# KiCad board data-center-rdimm-ddr5-tester.kicad_pcb (continued)
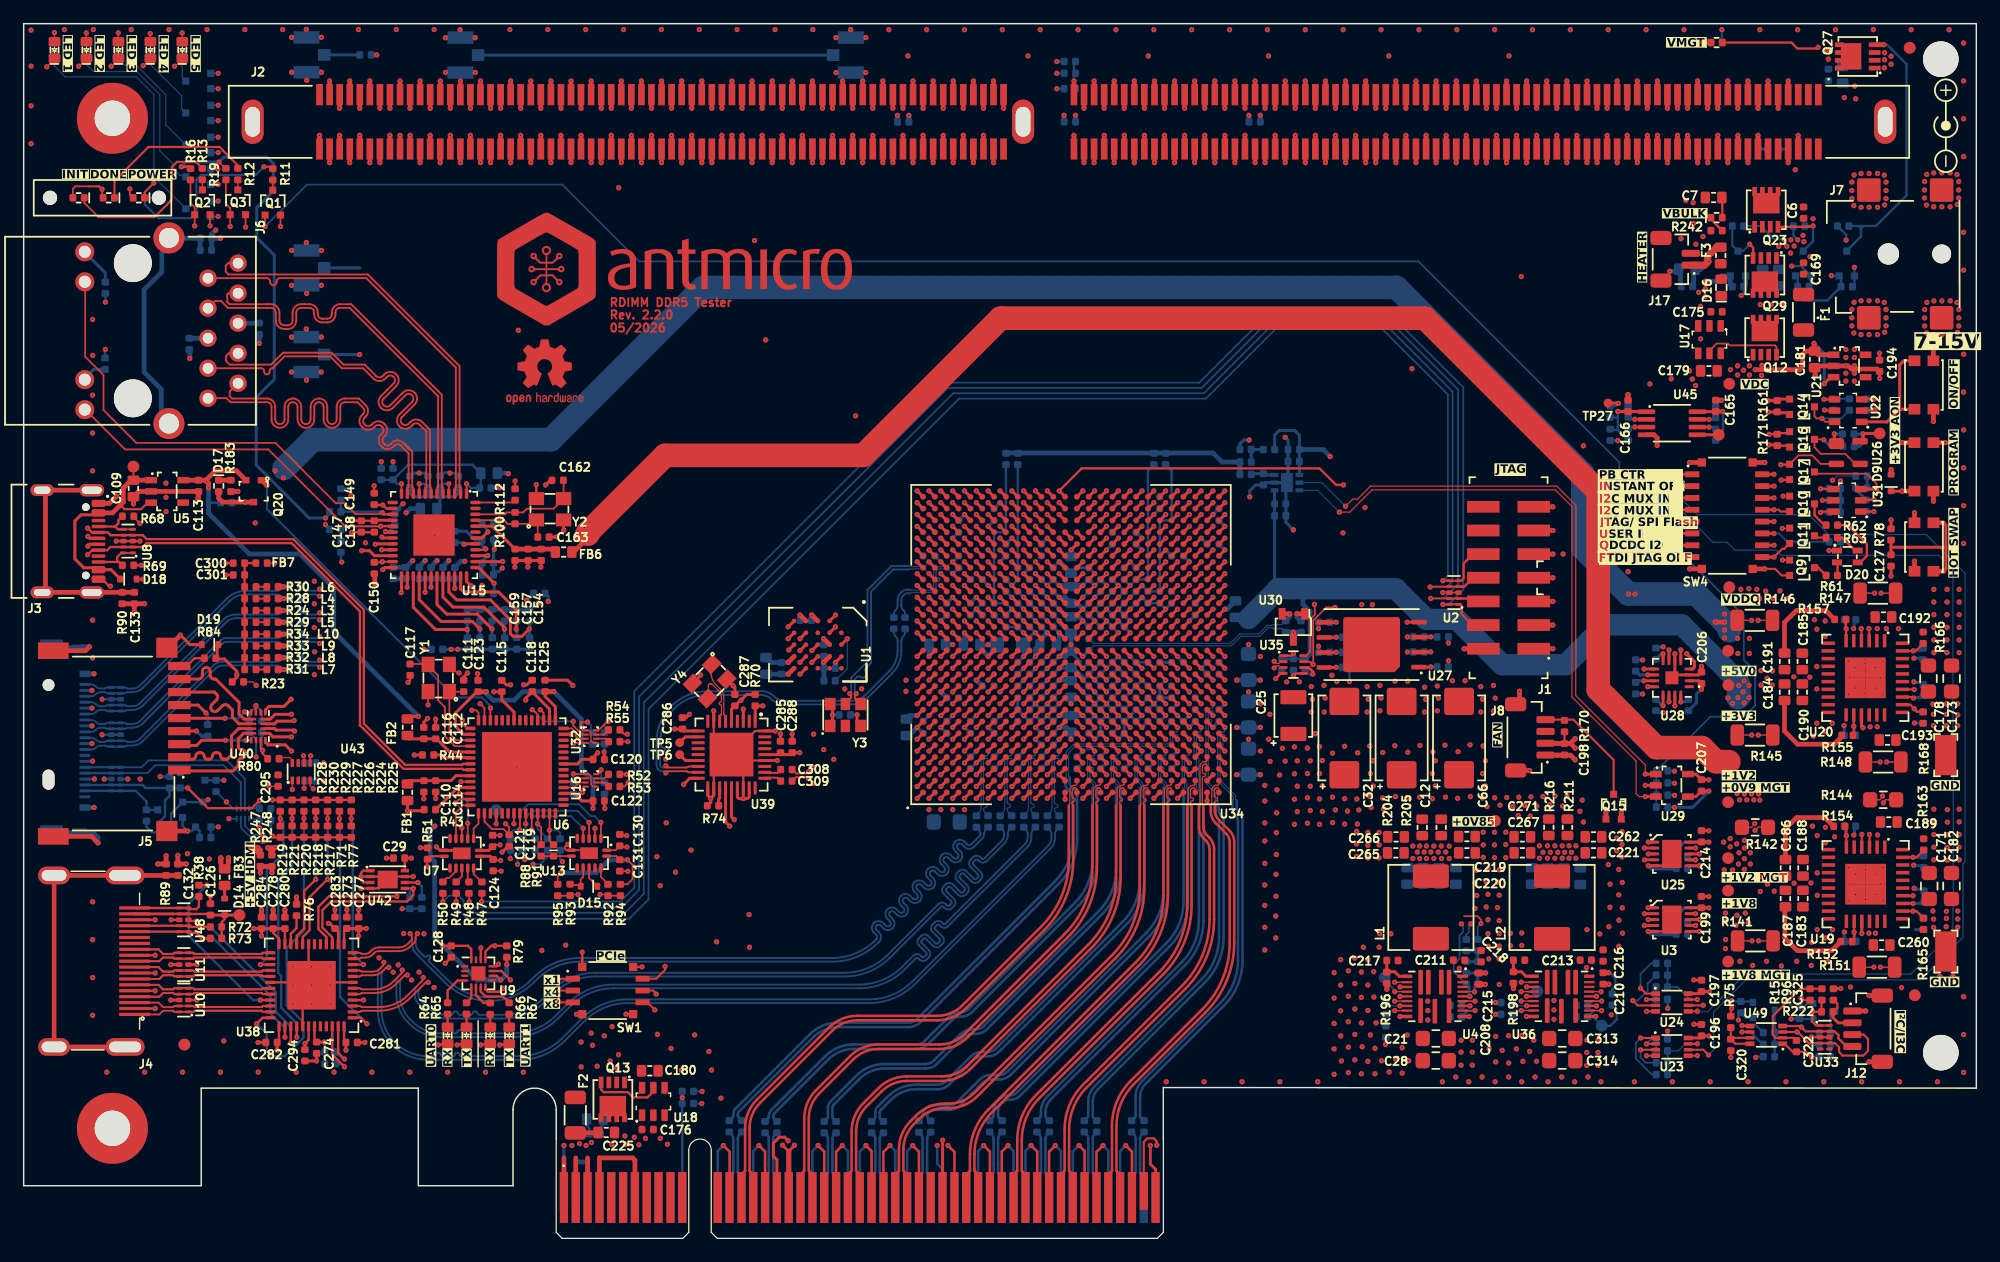
[diagram p0: board, top side]
## Routing (per net, layer and track width the routed paths; a pad name or vN(x,y) marks a point on that pad's centre or on a via; arc(x,y) is an arc through that point) (continued)
/DDR5 RDIMM/CTRL.~{RESET}: length 60.7
  Top w0.256: U34.T19 v1(91.5,56.2)
  Top w0.38: J2.207 v1(98.95,90.95)
  In9.Cu w0.1: v1(91.5,56.2) 91.97,55.72 97.71,55.72 98,56.01 98,56.45 98.28,56.73 98.78,56.73 99,56.95 99,57.39 99.32,57.71 99.74,57.71 100.01,57.98 100.01,58.49 100.19,58.67 100.63,58.67 101.03,59.07 101.03,59.42 101.3,59.69 102.01,59.69 103.76,61.44 103.76,62.23 106,64.47 106,84.7 105.74,84.96 arc(105.65,85.17) 105.74,85.38 106.04,85.68 arc(106.13,85.89) 106.04,86.11 arc(105.83,86.19) 105.62,86.11 105.32,85.81 arc(105.1,85.72) 104.89,85.81 arc(104.8,86.02) 104.89,86.23 105.19,86.53 arc(105.28,86.74) 105.19,86.96 arc(104.98,87.04) 104.77,86.96 104.47,86.66 arc(104.26,86.57) 104.04,86.66 arc(103.96,86.87) 104.04,87.08 104.34,87.38 arc(104.43,87.59) 104.34,87.8 arc(104.13,87.89) 103.92,87.8 103.62,87.5 arc(103.41,87.42) 103.2,87.5 arc(103.11,87.72) 103.2,87.93 103.5,88.23 arc(103.58,88.44) 103.5,88.65 arc(103.28,88.74) 103.07,88.65 102.77,88.35 arc(102.56,88.27) 102.35,88.35 arc(102.26,88.57) 102.35,88.78 102.65,89.08 arc(102.73,89.29) 102.65,89.5 arc(102.43,89.59) 102.22,89.5 101.92,89.2 arc(101.71,89.11) 101.5,89.2 arc(101.41,89.41) 101.5,89.63 101.8,89.93 arc(101.89,90.14) 101.8,90.35 arc(101.59,90.44) 101.37,90.35 101.07,90.05 arc(100.86,89.96) 100.65,90.05 99.75,90.95 v1(98.95,90.95)
/DDR5 RDIMM/DDR.SCL: length 37
  Top w0.177: 137.13,69.24 136.15,69.24 v1(136.14,69.25)
  Top w0.38: J2.4 v1(149.1,97.85)
  In4.Cu w0.15: v1(149.1,97.85) 149.1,93.95 147.4,92.25 147.4,81.05 140,73.65 140,72.72 136.53,69.25 v1(136.14,69.25)
  Bottom w0.198: 135.58,69.41 135.74,69.25 v1(136.14,69.25)
/DDR5 RDIMM/DDR.SDA: length 36
  Top w0.177: U45.3 136.15,68.59 v1(136.14,68.6)
  Top w0.38: 148.25,96.7 v1(148.25,95.55)
  In4.Cu w0.15: v1(148.25,95.55) 147.92,95.55 146,93.62 146,91.92 146.4,91.52 146.4,81.55 138.4,73.55 138.4,72.29 135.55,69.44 135.55,68.8 135.75,68.6 v1(136.14,68.6)
  Bottom w0.198: v1(136.14,68.6) 135.76,68.6 135.59,68.43
/DDR5 RDIMM/HSA: length 2.9
  Top w0.38: J2.148 v1(149.1,90.95)
  Bottom w0.198: v1(149.1,90.95) 149.1,91.85 148.88,92.07 R128.2
/Debug FTDI + VNA/AUX.RST: length 63.6
  Top w0.256: U34.D10 v1(78.5,46.2)
  In9.Cu w0.1: v1(45.52,31.85) 44.31,33.07 42.55,33.07 41.93,33.69 39.97,33.69 39.75,33.47 39.75,32.63 39.93,32.45 39.93,29 42.12,26.81 56.61,26.81 64.5,34.7 67.5,34.7 74.45,41.65 78.65,41.65 79,42 79,45.7 v1(78.5,46.2)
  Bottom w0.15: 45.32,32.82 45.32,32.05 v1(45.52,31.85)
/Debug FTDI + VNA/AUX.TCK: length 49.1
  Top w0.256: U34.C9 v1(77.5,45.2)
  In9.Cu w0.1: v1(41.12,32.1) 41.12,29.08 42.5,27.7 55.5,27.7 64,36.2 67,36.2 74.5,43.7 76.7,43.7 77,44 77,44.7 v1(77.5,45.2)
  Bottom w0.15: 41.12,32.82 v1(41.12,32.1)
/Debug FTDI + VNA/AUX.TDI: length 46.7
  Top w0.256: U34.B9 v1(76.5,45.2)
  In9.Cu w0.1: v1(41.72,31.63) 41.72,29.48 43,28.2 55,28.2 63.5,36.7 66.5,36.7 74.5,44.7 76.25,44.7 76.5,44.95 v1(76.5,45.2)
  Bottom w0.15: v1(41.72,31.63) 41.72,32.37 42.17,32.82
/Debug FTDI + VNA/AUX.TDO: length 44.8
  Top w0.256: U34.A9 v1(75.5,45.2)
  In9.Cu w0.1: v1(42.35,32.03) 42.35,29.85 43.5,28.7 54.5,28.7 63.05,37.25 66.05,37.25 74,45.2 v1(75.5,45.2)
  Bottom w0.15: 43.22,32.82 43.22,32.38 42.87,32.03 v1(42.35,32.03)
/Debug FTDI + VNA/AUX.TMS: length 56.3
  Top w0.256: U34.D9 v1(78.5,45.2)
  In9.Cu w0.1: v1(43.05,31.63) 43.05,32.23 42.66,32.62 40.98,32.62 40.75,32.39 40.75,28.75 42.2,27.3 56.1,27.3 64,35.2 67,35.2 74.5,42.7 77.7,42.7 77.99,42.99 77.99,44.69 v1(78.5,45.2)
  Bottom w0.15: 44.27,32.82 44.27,32.28 43.62,31.63 v1(43.05,31.63)
/Debug FTDI + VNA/BDBUS0: length 13.3
  Top w0.15: v1(48.77,35.17) 48.78,35.16 U13.2 ; U6.22 41.93,34.56 v1(41.92,34.55)
  Bottom w0.15: v1(48.77,35.17) 48.23,35.7 47.92,35.7 46.92,36.7 42.62,36.7 41.92,36 v1(41.92,34.55) 41.42,34.55 41.12,34.25 41.12,33.79
/Debug FTDI + VNA/BDBUS1: length 10.1
  Top w0.15: v1(47.78,35.17) 47.78,35.16 47.78,33.82 ; v1(42.42,35.05) 42.43,35.06 U6.23
  Bottom w0.15: 42.17,33.79 42.42,34.04 v1(42.42,35.05) 42.42,35.6 42.97,36.15 46.79,36.15 v1(47.78,35.17)
/Debug FTDI + VNA/BDBUS2: length 8.9
  Top w0.15: v1(42.92,34.55) 42.93,34.56 U6.24 ; 47.28,33.82 v1(47.28,34.67)
  Bottom w0.15: v1(47.28,34.67) 46.25,35.7 43.17,35.7 42.92,35.45 v1(42.92,34.55) 42.92,34.09 43.22,33.79
/Debug FTDI + VNA/BDBUS3: length 4.4
  Top w0.15: 43.72,33.29 43.72,34.75 v1(43.42,35.05) 43.43,35.06 U6.25
  Bottom w0.15: 44.27,33.79 43.42,34.64 v1(43.42,35.05)
/Debug FTDI + VNA/CC1: length 4.1
  Top w0.15: U8.5 U8.6
  Top w0.201: 8.34,61.05 8,60.71 8,60.45 7.73,60.19 ; U8.6 7.97,59.95 7.73,60.19 ; 7.73,60.19 J3.A5
/Debug FTDI + VNA/CC2: length 4
  Top w0.15: U8.1 U8.10
  Top w0.201: 8.34,56.9 8.06,57.19 7.9,57.19 ; 7.9,57.19 J3.B5 ; 7.9,57.19 7.9,57.6 8.25,57.95 U8.10
/Debug FTDI + VNA/DBG_USB_N: length 49.2
  Top w0.2: U6.7 37.13,40.11 37.04,40.03 32.23,40.03 28.75,43.51 28.75,53.15 22.78,59.12 10.4,59.12
  Top w0.201: J3.B7 7.12,59.69 7.36,59.45 U8.7 U8.4 10.07,59.45 10.4,59.12 ; 6.33,59.69 5.77,59.69 v1(5.41,60.05)
  Top w0.256: J3.A7 5.59,58.69 v1(5.42,58.52)
  In2.Cu w0.114: v1(5.41,60.05) 5.85,59.6 5.85,58.95 v1(5.42,58.52)
/Debug FTDI + VNA/DBG_USB_P: length 49.2
  Top w0.2: U6.8 37.16,39.62 37.07,39.7 32.09,39.7 28.41,43.38 28.41,53.01 22.64,58.78 10.39,58.78
  Top w0.201: 10.39,58.78 10.06,58.45 U8.2 U8.9 7.32,58.45 7.06,58.19 J3.B6 5.79,58.19 v1(5.4,57.8)
  Top w0.256: v1(5.42,59.35) 5.59,59.19 J3.A6
  In2.Cu w0.114: v1(5.4,57.8) 4.97,58.23 4.97,58.9 v1(5.42,59.35)
/Debug FTDI + VNA/FTDI.SCL: length 105.7
  Top w0.1: v1(48.7,29.07) 49.27,29.07 49.37,28.97
  Top w0.15: 50.42,28.97 49.37,28.97
  Top w0.177: v1(135.97,20.1) 136.38,19.69 137.9,19.69
  In4.Cu w0.1: v1(48.7,29.07) 55.45,22.33 55.45,20.66 56.82,19.29 102.68,19.29 108.76,25.38 133,25.38 135.12,23.25 135.12,20.5 135.52,20.1 v1(135.97,20.1)
  Bottom w0.15: v1(135.97,20.1) 136.37,20.1 137.22,20.95 137.22,21.54 137.94,22.25
/Debug FTDI + VNA/FTDI.SDA: length 110.1
  Top w0.1: 46.17,28.98 46.27,29.07 v1(46.84,29.07)
  Top w0.15: 45.12,28.97 46.16,28.97 46.17,28.98
  Top w0.177: v1(136.63,15.94) 136.64,15.94 U23.3
  In4.Cu w0.1: v1(136.63,15.94) 135.82,16.75 135.82,18.91 134.81,19.91 134.81,23.24 132.97,25.07 109.57,25.07 103.18,18.68 55.79,18.68 54.43,20.04 54.43,22.14 47.5,29.07 v1(46.84,29.07)
  Bottom w0.15: 137.94,14.85 137.07,14.85 136.63,15.3 v1(136.63,15.94)
/Debug FTDI + VNA/FTDI_3V3: length 92.5
  Top w0.114: U32.5 48.12,41.89 47.93,42.07 47.93,42.78 47.77,42.94 U32.1 ; U16.1 47.77,39.24 47.93,39.08 47.93,38.37 48.12,38.19 U16.5
  Top w0.15: 50.33,33.1 50.96,33.1 v1(50.98,33.08) ; U13.1 50.01,32.82 50.38,33.18 ; v1(47.65,43.65) 47.08,43.65 47.05,43.62 47.05,43.2 47.31,42.94 U32.1 ; v1(40.72,35.05) 41.02,34.75 41.02,34.13 40.56,34.6 39.57,34.6 38.93,35.24 U6.16 ; U16.1 46.48,39.24 v1(46.45,39.27) ; 39.62,33.26 v1(40.26,33.26)
  Top w0.201: v1(40.32,21.85) 39.97,22.2 U9.10 ; U9.16 37.82,24.45 37.54,24.73 35.44,24.73 v1(35.42,24.75) ; 40.82,23.77 v1(40.82,23.15)
  Top w0.256: 48.11,40.48 48.09,40.5 47.17,40.5 46.79,40.11 U6.36 ; 41.43,43.8 41.43,44.49 40.4,45.53 40.4,46.21 v1(39.72,46.21) ; 32.44,36.82 32.44,36.16 v1(32.43,36.16) 33.74,36.16 33.84,36.25 ; 44.43,43.8 44.43,44.74 42.97,46.2 42.97,46.22 42.42,45.68 v1(42.42,45.5) ; v1(48.5,41.05) 48.11,40.66 48.11,40.48 ; v1(33.36,44.13) 32.42,44.13 ; U7.1 39.31,32.8 39.62,33.12
  Top w0.4: U5.5 14.77,64.1 14.77,64.1 15.37,64.1 v1(15.47,64) ; v1(15.47,64) 15.47,64.17 16.2,64.9 17.98,64.9 Q20.2 ; v1(15.47,64) 15.62,63.85 v1(15.62,63.45)
  Bottom w0.15: v1(47.65,43.65) 47.92,43.38 47.92,42.9 48.07,42.75 ; 46.46,38.53 46.46,39.26 v1(46.45,39.27)
  Bottom w0.198: 15.9,62.2 15.62,62.2 ; 15.9,62.2 15.82,62.2 ; 15.9,62.2 R251.2 ; 15.82,62.2 15.62,62.4 ; 15.82,62.2 15.62,62
  Bottom w0.4: 39.12,21.85 40.32,21.85 v1(40.32,21.85) ; 39.12,21.85 40.32,21.85 40.82,22.35 v1(40.82,23.15) ; 39.12,21.85 38.32,21.85 v1(35.42,24.75) 34.72,25.45 34.72,31.85 34.35,32.23 34.35,34.48 34.72,34.85 ; v1(15.47,64) 15.62,63.85 v1(15.62,63.45) 15.62,61.31 19.07,57.86 23.33,57.86 26.2,54.99 26.2,51.29 v1(33.36,44.13)
  vias: v1(34.75,34.85)
/Debug FTDI + VNA/FTDI_EECLK: length 27.6
  Top w0.15: v1(37.87,44.65) 38.22,44.65 38.43,44.44 38.43,43.8
  Top w0.201: U9.11 40.37,22.6 v1(41.12,21.85)
  In2.Cu w0.15: v1(41.12,21.85) 40.73,22.25 40.16,22.25 38.12,24.28 38.12,43.85 37.87,44.1 v1(37.87,44.65)
/Debug FTDI + VNA/FTDI_EECS: length 31.8
  Top w0.15: U6.1 37.46,43.11 37.07,43.5 v1(37.07,43.8)
  Top w0.201: U9.12 39.95,23 v1(40.12,23.18)
  In2.Cu w0.15: v1(40.12,23.18) 40.55,22.75 40.99,22.75 41.62,22.12 41.62,21.05 41.32,20.75 40.02,20.75 37.12,23.65 37.12,29.45 35.82,30.75 35.82,41.55 37.07,42.8 v1(37.07,43.8)
/Debug FTDI + VNA/FTDI_EEDAT: length 23.7
  Top w0.15: v1(38.57,45.2) 38.93,44.84 38.93,43.8
  Top w0.201: U9.14 38.62,24.55 v1(38.62,24.55)
  In2.Cu w0.15: v1(38.62,24.55) 38.62,25.55 39.22,26.15 39.22,29.35 38.82,29.75 38.82,44.25 38.57,44.5 v1(38.57,45.2)
/Debug FTDI + VNA/FTDI_JTAG_RST: length 2
  Top w0.15: v1(39.93,35.05) 39.93,35.06 U6.18
  Bottom w0.256: TP1.1 39.92,35.05 v1(39.93,35.05)
/Debug FTDI + VNA/FTDI_JTAG_TCK: length 5
  Top w0.15: v1(36.82,37.6) 36.84,37.62 U6.12 ; U7.3 v1(37.52,35.1)
  Bottom w0.15: v1(36.82,37.6) 37.52,36.9 v1(37.52,35.1)
/Debug FTDI + VNA/FTDI_JTAG_TDI: length 4.6
  Top w0.15: v1(36.47,36.8) 36.79,37.12 U6.13 ; v1(37.02,34.7) U7.4
  Bottom w0.15: v1(37.02,34.7) 37.02,36.25 v1(36.47,36.8)
/Debug FTDI + VNA/FTDI_JTAG_TDO: length 3.7
  Top w0.15: U6.14 37.14,36.62 36.53,36.01 36.53,33.8
/Debug FTDI + VNA/FTDI_JTAG_TMS: length 2.3
  Top w0.15: U7.2 38.02,34.65 38.43,35.06 U6.15
/Debug FTDI + VNA/FTDI_PWREN: length 52.6
  Top w0.15: v1(39.45,44.83) 39.43,44.81 39.43,43.8
  Top w0.201: 40.82,24.74 v1(39.81,24.74) 39.51,24.74 39.02,24.25 U9.13
  Top w0.4: v1(20.56,63.65) 20.11,64.1 Q20.1
  In2.Cu w0.15: v1(39.81,24.74) 39.81,29.87 39.45,30.23 v1(39.45,44.83)
  Bottom w0.177: v1(20.56,63.65) 20.56,61.65 36.48,45.73 38.72,45.73 39.32,45.13 39.32,44.96 v1(39.45,44.83)
/Debug FTDI + VNA/FTDI_SCL: length 1.6
  Top w0.15: U13.13 48.78,30.57 49.37,29.97 49.37,29.94
/Debug FTDI + VNA/FTDI_SDA_IN: length 2.6
  Top w0.15: 46.17,29.95 46.26,29.87 46.98,29.87 D15.2 47.08,30.37 47.28,30.57 47.28,31.32
/Debug FTDI + VNA/FTDI_SDA_OUT: length 1.8
  Top w0.15: U13.11 47.78,30.47 D15.1
/Debug FTDI + VNA/FTDI_UART0_RX: length 2
  Top w0.15: U6.33 46.5,38.62 46.77,38.89 U16.2
/Debug FTDI + VNA/FTDI_UART0_TX: length 2.1
  Top w0.15: U6.32 46.53,38.12 46.95,38.54 U16.3
/Debug FTDI + VNA/FTDI_UART1_RX: length 6.7
  Top w0.15: U32.2 47.2,42.59 46.43,43.36 v1(46.43,43.71) ; v1(42.97,44.7) 43.03,44.7 43.43,44.3 43.43,43.8
  Bottom w0.15: v1(46.43,43.71) 43.96,43.71 v1(42.97,44.7)
/Debug FTDI + VNA/FTDI_UART1_TX: length 2.4
  Top w0.15: U32.3 46.86,42.24 46.64,42.46 46.64,42.79 46.31,43.11 U6.42
/Debug FTDI + VNA/FTDI_VCORE: length 30.6
  Top w0.256: v1(48.11,36.35) 48.11,36.98 ; 38.4,46.21 38.29,46.21 36.47,44.4 36.47,43.3 37.16,42.61 U6.2 ; U6.31 46.53,37.62 47.17,36.98 48.11,36.98 ; 44.05,46.22 44.05,45.82 44.93,44.94 44.93,43.8
  Top w0.4: v1(39.08,46.21) 38.4,46.21 ; v1(44.8,46.22) 44.06,46.22 44.05,46.22
  Bottom w0.4: v1(39.08,46.21) 39.08,46.08 39.66,45.5 41.45,45.5 42.17,46.22 v1(44.8,46.22) 47.12,43.89 47.12,39.72 48.11,38.74 v1(48.11,36.35)
/Debug FTDI + VNA/FTDI_VPHY: length 5.8
  Top w0.256: U6.5 36.01,41.11 34.89,42.23 33.82,42.23 32.53,42.23 32.44,42.33
/Debug FTDI + VNA/FTDI_VPLL: length 5.5
  Top w0.256: U6.9 36.52,39.12 36.11,38.7 33.82,38.7 32.53,38.7 32.44,38.6
/Debug FTDI + VNA/FTDI_XI: length 6.7
  Top w0.15: U6.3 36.55,42.11 35.97,42.69 35.97,46.23 ; 37.18,46.22 35.98,46.22
/Debug FTDI + VNA/FTDI_XO: length 10.6
  Top w0.15: 32.65,48.56 34.14,48.56 ; 34.17,48.43 35.02,47.58 35.02,45.49 35.59,44.92 35.59,42.45 36.43,41.61 U6.4
/Debug FTDI + VNA/I2C_EN: length 4.3
  Top w0.15: U6.27 44.43,34.51 v1(44.42,34.5) 44.43,34.49 44.43,33.63 44.77,33.29
  Bottom w0.15: v1(44.42,34.5) 45.12,34.5 45.32,34.3 45.32,33.79
/Debug FTDI + VNA/JTAG.TCK: length 164.9
  Top w0.15: U2.2 118.9,54.1 v1(118.9,54.1) ; 37.65,29.17 v1(37.65,28.48)
  Top w0.201: J1.6 123.09,54.1 U2.2
  Top w0.256: v1(100.5,48.2) U34.AE12
  In2.Cu w0.1: v1(100.5,48.2) 101.06,47.64 103.51,47.64 104.32,46.82 106.12,46.82 106.65,46.3 107.6,46.3 108.4,47.1 109,47.1 110.55,48.65 112,48.65 112.85,49.5 114.95,49.5 116.35,50.9 116.35,52.2 117.1,52.95 117.75,52.95 v1(118.9,54.1)
  Bottom w0.15: v1(118.9,54.1) 119.99,54.1 121.2,55.31 121.2,71.76 115.11,77.85 105.49,77.85 99.54,71.9 78.1,71.9 52,45.8 52,29.45 50.53,27.97 38.15,27.97 v1(37.65,28.48)
/Debug FTDI + VNA/JTAG.TDI: length 169.7
  Top w0.15: 36.55,29.17 v1(36.55,28.48) ; v1(119.92,55.6) U2.6 U2.5
  Top w0.201: 123.34,57.85 122.47,57.85 121.67,57.05 121.67,55.8 121.47,55.6 U2.5
  Top w0.256: U34.AB12 v1(97.5,48.2)
  In2.Cu w0.1: v1(97.5,48.2) 98.05,47.65 99.74,47.65 99.95,47.44 99.95,47.05 100.18,46.82 102.82,46.82 103,47 103.7,47 104.18,46.52 105.72,46.52 106.3,45.95 107.85,45.95 108.18,46.27 110.69,46.27 113.41,48.99 117.09,48.99 117.4,49.3 117.4,51.67 118.2,52.47 118.57,52.47 119.28,53.17 119.28,54.95 v1(119.92,55.6)
  Bottom w0.15: v1(36.55,28.48) 36.55,27.98 37.5,27.02 51.18,27.02 52.8,28.65 52.8,44.75 79.05,71 99.91,71 105.86,76.95 114.74,76.95 120.35,71.34 120.35,56.03 v1(119.92,55.6)
/Debug FTDI + VNA/JTAG.TDO: length 178.2
  Top w0.15: v1(118.85,55.07) 118.88,55.1 U2.4 ; 35.42,29.17 v1(35.42,28.48)
  Top w0.201: J1.8 122.47,55.85 121.72,55.1 U2.4
  Top w0.256: U34.Y10 v1(95.5,46.2)
  In2.Cu w0.1: v1(95.5,46.2) 95.88,46.57 103.7,46.57 104.09,46.19 105.31,46.19 105.9,45.6 108,45.6 108.45,46.05 111.53,46.05 113.84,48.36 117.21,48.36 117.9,49.05 117.9,51.4 118.5,52 119,52 119.55,52.55 119.55,53.9 119.75,54.1 120.15,54.1 120.5,54.45 120.5,55.7 120.19,56.01 119.59,56.01 119.4,55.82 119.4,55.62 v1(118.85,55.07)
  Bottom w0.15: v1(35.42,28.48) 35.92,28.97 36.75,28.97 37.18,28.55 37.18,28.12 37.78,27.52 50.8,27.52 52.4,29.12 52.4,45.3 78.55,71.45 99.72,71.45 105.67,77.4 114.93,77.4 120.75,71.58 120.75,55.55 120.28,55.07 v1(118.85,55.07)
/Debug FTDI + VNA/JTAG.TMS: length 169.8
  Top w0.15: 38.7,29.17 v1(38.7,28.48) ; v1(119.92,53.6) U2.10 U2.1
  Top w0.201: J1.4 122.42,51.85 121.52,52.75 121.52,53.46 121.38,53.6 U2.1
  Top w0.256: v1(97.5,46.2) U34.AB10
  In2.Cu w0.1: v1(97.5,46.2) 97.88,45.82 103.03,45.82 103.2,45.65 105.1,45.65 105.55,45.2 111.54,45.2 114.07,47.73 117.5,47.73 118.35,48.58 118.35,51.15 118.65,51.45 118.97,51.45 119.92,52.4 v1(119.92,53.6)
  Bottom w0.15: v1(38.7,28.48) 50.43,28.48 51.6,29.65 51.6,46.25 77.7,72.35 99.35,72.35 105.3,78.3 115.3,78.3 121.65,71.95 121.65,54.85 120.4,53.6 v1(119.92,53.6)
/Debug FTDI + VNA/LED_RX0: length 1.5
  Top w0.201: 37.42,19.92 37.82,20.32 U9.5
/Debug FTDI + VNA/LED_RX1: length 3.2
  Top w0.201: 41.02,19.92 40.49,20.45 39.02,20.45 38.62,20.85 U9.7
/Debug FTDI + VNA/LED_TX0: length 2.8
  Top w0.201: U9.4 36.68,21.8 35.82,20.95 35.82,19.92
/Debug FTDI + VNA/LED_TX1: length 2.2
  Top w0.201: U9.6 38.22,20.55 38.87,19.91 39.42,19.91
/Debug FTDI + VNA/UART0.RX: length 37.6
  Top w0.15: 50.38,38.21 50.76,38.21 v1(51.08,38.53)
  Top w0.256: U34.G10 v1(81.5,46.2)
  In6.Cu w0.1: v1(81.5,46.2) 81.88,45.82 81.88,43.92 81.7,43.75 65.26,43.75 64.32,42.82 64.32,42.5 59.83,38.01 51.6,38.01 v1(51.08,38.53)
/Debug FTDI + VNA/UART0.TX: length 34.8
  Top w0.15: 50.38,39.23 v1(50.93,39.23)
  Top w0.256: U34.G9 v1(81.5,45.2)
  In6.Cu w0.1: v1(50.93,39.23) 51.42,39.23 52.05,38.6 55.02,38.6 55.74,39.32 59.28,39.32 64.65,44.7 81,44.7 v1(81.5,45.2)
/Debug FTDI + VNA/UART1.RX: length 33.4
  Top w0.15: v1(51.05,42) 50.4,42 50.39,41.99
  Top w0.256: U34.F9 v1(80.5,45.2)
  In6.Cu w0.1: v1(51.05,42) 52.16,40.88 60.03,40.88 64.72,45.57 80.12,45.57 v1(80.5,45.2)
/Debug FTDI + VNA/UART1.TX: length 33.1
  Top w0.15: v1(51,42.62) 50.76,42.62 50.39,42.99
  Top w0.256: U34.F10 v1(80.5,46.2)
  In6.Cu w0.1: v1(51,42.62) 61.02,42.62 65.38,46.97 73.65,46.97 73.93,46.7 80,46.7 v1(80.5,46.2)
/Ethernet/ETH1_N: length 35.5
  Top w0.16: U15.3 36.43,63.41 36.52,63.51 36.52,73.62 28.96,81.18 21.65,81.18 arc(21.46,81.1) 21.38,80.91 21.38,80.85 arc(21.29,80.65) 21.1,80.57 arc(20.91,80.65) 20.83,80.85 20.83,80.91 arc(20.74,81.1) 20.55,81.18 15.58,81.18
/Ethernet/ETH1_P: length 35.5
  Top w0.16: J6.1 17.28,82.45 17.08,82.24 17.08,81.73 17.32,81.49 29.09,81.49 36.83,73.75 36.83,63.51 36.93,63.41 U15.2
/Ethernet/ETH2_N: length 35.4
  Top w0.16: J6.4 16.18,79.25 16.68,79.25 17.26,78.67 20.89,78.67 arc(21.18,78.55) 21.3,78.26 21.3,77.61 arc(21.52,77.1) 22.03,76.88 22.31,76.88 arc(22.82,77.1) 23.03,77.61 23.03,78.26 arc(23.15,78.55) 23.45,78.67 24.16,78.67 arc(24.43,78.56) 24.54,78.29 24.54,78.13 arc(24.74,77.65) 25.23,77.44 25.66,77.44 arc(26.15,77.65) 26.35,78.13 26.35,78.29 arc(26.46,78.56) 26.73,78.67 27.54,78.67 35.02,71.19 35.02,63.51 34.93,63.41 U15.6
/Ethernet/ETH2_P: length 35.5
  Top w0.16: U15.5 35.43,63.41 35.33,63.51 35.33,71.32 27.67,78.98 26.73,78.98 arc(26.24,78.78) 26.04,78.29 26.04,78.13 arc(25.93,77.87) 25.66,77.75 25.23,77.75 arc(24.96,77.87) 24.85,78.13 24.85,78.29 arc(24.65,78.78) 24.16,78.98 23.45,78.98 arc(22.94,78.77) 22.72,78.26 22.72,77.61 arc(22.6,77.31) 22.31,77.19 22.03,77.19 arc(21.73,77.31) 21.61,77.61 21.61,78.26 arc(21.4,78.77) 20.89,78.98 17.39,78.98 17.2,79.17 17.2,79.8 17.31,79.91 J6.3
/Ethernet/ETH3_N: length 35.5
  Top w0.16: 15.58,73.56 20.1,73.56 arc(20.26,73.5) 20.33,73.34 20.33,73.27 arc(20.39,73.11) 20.55,73.05 arc(20.71,73.11) 20.78,73.27 20.78,73.34 arc(20.84,73.5) 21,73.56 21.03,73.56 22.04,74.57 25.89,74.57 26.89,73.56 28.69,73.56 29.56,72.69 arc(30.06,72.48) 30.56,72.69 30.7,72.83 arc(30.98,72.95) 31.26,72.83 arc(31.38,72.55) 31.26,72.27 30.2,71.21 arc(29.99,70.71) 30.2,70.21 arc(30.69,70.01) 31.19,70.21 32.26,71.28 arc(32.54,71.39) 32.82,71.28 arc(32.93,71) 32.82,70.72 31.75,69.65 arc(31.55,69.16) 31.75,68.66 arc(32.25,68.45) 32.75,68.66 32.89,68.8 arc(33.17,68.92) 33.45,68.8 34.02,68.23 34.02,63.51 33.93,63.41 U15.8
/Ethernet/ETH3_P: length 35.5
  Top w0.16: U15.7 34.43,63.41 34.33,63.51 34.33,68.36 33.67,69.02 arc(33.17,69.23) 32.67,69.02 32.53,68.88 arc(32.25,68.76) 31.97,68.88 arc(31.86,69.16) 31.97,69.44 33.04,70.5 arc(33.24,71) 33.04,71.5 arc(32.54,71.7) 32.04,71.5 30.97,70.43 arc(30.69,70.32) 30.42,70.43 arc(30.3,70.71) 30.42,70.99 31.48,72.06 arc(31.69,72.55) 31.48,73.05 arc(30.98,73.26) 30.48,73.05 30.34,72.91 arc(30.06,72.79) 29.78,72.91 28.82,73.87 27.02,73.87 26.01,74.88 21.91,74.88 20.9,73.87 17.41,73.87 17.11,74.17 17.11,74.6 17.33,74.83 18.11,74.83
/Ethernet/ETH4_N: length 35.5
  Top w0.16: U15.11 32.43,63.41 32.52,63.51 32.52,66.38 31.86,67.04 arc(31.6,67.14) 31.34,67.04 31.23,66.93 arc(30.75,66.73) 30.27,66.93 30.2,67 arc(30,67.48) 30.2,67.96 30.31,68.07 arc(30.42,68.33) 30.31,68.59 30.24,68.66 arc(29.98,68.77) 29.71,68.66 29.6,68.55 arc(29.12,68.35) 28.64,68.55 28.57,68.62 arc(28.37,69.1) 28.57,69.59 28.68,69.7 arc(28.79,69.96) 28.68,70.22 28.2,70.7 27.15,70.7 arc(26.87,70.58) 26.75,70.3 26.75,69.24 arc(26.55,68.74) 26.05,68.53 arc(25.55,68.74) 25.34,69.24 25.34,70.3 arc(25.23,70.58) 24.95,70.7 arc(24.67,70.58) 24.56,70.3 24.56,69.24 arc(24.35,68.74) 23.85,68.53 arc(23.35,68.74) 23.14,69.24 23.14,70.3 arc(23.03,70.58) 22.75,70.7 arc(22.47,70.58) 22.36,70.3 22.36,69.24 arc(22.15,68.74) 21.65,68.53 arc(21.15,68.74) 20.94,69.24 20.94,70.3 arc(20.83,70.58) 20.55,70.7 17.48,70.7 17.14,71.04 15.59,71.04 15.58,71.02
/Ethernet/ETH4_P: length 35.5
  Top w0.16: 18.11,72.29 17.41,71.59 17.41,71.21 17.61,71.01 20.55,71.01 arc(21.05,70.8) 21.25,70.3 21.25,69.24 arc(21.37,68.96) 21.65,68.84 arc(21.93,68.96) 22.05,69.24 22.05,70.3 arc(22.25,70.8) 22.75,71.01 arc(23.25,70.8) 23.45,70.3 23.45,69.24 arc(23.57,68.96) 23.85,68.84 arc(24.13,68.96) 24.25,69.24 24.25,70.3 arc(24.45,70.8) 24.95,71.01 arc(25.45,70.8) 25.66,70.3 25.66,69.24 arc(25.77,68.96) 26.05,68.84 arc(26.33,68.96) 26.44,69.24 26.44,70.3 arc(26.65,70.8) 27.15,71.01 28.33,71.01 28.9,70.44 arc(29.1,69.96) 28.9,69.48 28.79,69.37 arc(28.68,69.1) 28.79,68.84 28.86,68.77 arc(29.12,68.66) 29.38,68.77 29.49,68.88 arc(29.98,69.08) 30.46,68.88 30.53,68.81 arc(30.73,68.33) 30.53,67.85 30.42,67.74 arc(30.31,67.48) 30.42,67.22 30.49,67.15 arc(30.75,67.04) 31.01,67.15 31.12,67.26 arc(31.6,67.45) 32.08,67.26 32.83,66.51 32.83,63.51 32.93,63.41 U15.10
/Ethernet/ETH.MDC: length 52.6
  Top w0.256: v1(37.8,55.17) 37.43,55.55 U15.36 ; U34.C22 v1(77.5,59.2)
  In9.Cu w0.1: v1(37.8,55.17) 38.32,54.65 41.4,54.65 41.8,55.05 45.85,55.05 50.51,59.71 50.51,61.36 52.07,62.92 53.85,62.92 arc(53.98,62.98) 54.04,63.11 arc(54.09,63.25) 54.22,63.3 54.45,63.3 arc(54.58,63.25) 54.64,63.11 arc(54.69,62.98) 54.82,62.92 55.05,62.92 arc(55.18,62.98) 55.24,63.11 arc(55.29,63.25) 55.43,63.3 55.65,63.3 arc(55.78,63.25) 55.84,63.11 arc(55.89,62.98) 56.03,62.92 56.25,62.92 arc(56.38,62.98) 56.44,63.11 arc(56.49,63.25) 56.62,63.3 56.85,63.3 arc(56.98,63.25) 57.04,63.11 arc(57.09,62.98) 57.22,62.92 57.45,62.92 arc(57.58,62.98) 57.64,63.11 arc(57.69,63.25) 57.82,63.3 58.05,63.3 arc(58.18,63.25) 58.24,63.11 arc(58.29,62.98) 58.43,62.92 58.65,62.92 arc(58.78,62.98) 58.84,63.11 arc(58.89,63.25) 59.03,63.3 59.25,63.3 arc(59.38,63.25) 59.44,63.11 arc(59.49,62.98) 59.62,62.92 59.85,62.92 arc(59.98,62.98) 60.04,63.11 arc(60.09,63.25) 60.22,63.3 60.45,63.3 arc(60.58,63.25) 60.64,63.11 arc(60.69,62.98) 60.82,62.92 61.05,62.92 arc(61.18,62.98) 61.24,63.11 arc(61.29,63.25) 61.43,63.3 61.65,63.3 arc(61.78,63.25) 61.84,63.11 arc(61.89,62.98) 62.03,62.92 62.25,62.92 arc(62.38,62.98) 62.44,63.11 arc(62.49,63.25) 62.62,63.3 62.85,63.3 arc(62.98,63.25) 63.04,63.11 arc(63.09,62.98) 63.22,62.92 63.45,62.92 arc(63.58,62.98) 63.64,63.11 arc(63.69,63.25) 63.82,63.3 64.05,63.3 arc(64.18,63.25) 64.24,63.11 arc(64.29,62.98) 64.43,62.92 64.65,62.92 arc(64.78,62.98) 64.84,63.11 arc(64.89,63.25) 65.03,63.3 65.25,63.3 arc(65.38,63.25) 65.44,63.11 arc(65.49,62.98) 65.62,62.92 65.85,62.92 arc(65.98,62.98) 66.04,63.11 arc(66.09,63.25) 66.22,63.3 66.45,63.3 arc(66.58,63.25) 66.64,63.11 arc(66.69,62.98) 66.82,62.92 67.4,62.92 68.62,61.7 69.1,61.7 70.1,60.7 75.85,60.7 76,60.55 76,60 76.3,59.7 77,59.7 v1(77.5,59.2)
/Ethernet/ETH.MDIO: length 49.2
  Top w0.256: U34.A24 v1(75.5,61.2) ; U15.37 38.43,56.72 v1(39.76,55.39)
  In9.Cu w0.1: v1(75.5,61.2) 70.5,61.2 69.3,62.4 68.95,62.4 67.57,63.77 66.95,63.77 arc(66.84,63.82) 66.79,63.94 arc(66.74,64.05) 66.63,64.1 66.3,64.1 arc(66.19,64.05) 66.14,63.94 arc(66.09,63.82) 65.98,63.77 65.65,63.77 arc(65.54,63.82) 65.49,63.94 arc(65.44,64.05) 65.33,64.1 65,64.1 arc(64.89,64.05) 64.84,63.94 arc(64.79,63.82) 64.68,63.77 64.35,63.77 arc(64.24,63.82) 64.19,63.94 arc(64.14,64.05) 64.03,64.1 63.7,64.1 arc(63.59,64.05) 63.54,63.94 arc(63.49,63.82) 63.38,63.77 63.05,63.77 arc(62.94,63.82) 62.89,63.94 arc(62.84,64.05) 62.73,64.1 62.4,64.1 arc(62.29,64.05) 62.24,63.94 arc(62.19,63.82) 62.08,63.77 61.75,63.77 arc(61.64,63.82) 61.59,63.94 arc(61.54,64.05) 61.43,64.1 61.1,64.1 arc(60.99,64.05) 60.94,63.94 arc(60.89,63.82) 60.78,63.77 60.45,63.77 arc(60.34,63.82) 60.29,63.94 arc(60.24,64.05) 60.13,64.1 59.8,64.1 arc(59.69,64.05) 59.64,63.94 arc(59.59,63.82) 59.48,63.77 59.15,63.77 arc(59.04,63.82) 58.99,63.94 arc(58.94,64.05) 58.83,64.1 58.5,64.1 arc(58.39,64.05) 58.34,63.94 arc(58.29,63.82) 58.18,63.77 57.85,63.77 arc(57.74,63.82) 57.69,63.94 arc(57.64,64.05) 57.53,64.1 57.2,64.1 arc(57.09,64.05) 57.04,63.94 arc(56.99,63.82) 56.88,63.77 56.55,63.77 arc(56.44,63.82) 56.39,63.94 arc(56.34,64.05) 56.23,64.1 55.9,64.1 arc(55.79,64.05) 55.74,63.94 arc(55.69,63.82) 55.58,63.77 55.25,63.77 arc(55.14,63.82) 55.09,63.94 arc(55.04,64.05) 54.93,64.1 54.6,64.1 arc(54.49,64.05) 54.44,63.94 arc(54.39,63.82) 54.28,63.77 53.95,63.77 arc(53.84,63.82) 53.79,63.94 arc(53.74,64.05) 53.63,64.1 53.3,64.1 arc(53.19,64.05) 53.14,63.94 arc(53.09,63.82) 52.98,63.77 51.6,63.77 49.7,61.88 49.7,59.9 45.45,55.65 41.55,55.65 41.25,55.35 39.8,55.35 v1(39.76,55.39)
  Bottom w0.256: R110.1 39.76,54.59 v1(39.76,55.39)
/Ethernet/ETH.REF_CLK: length 50.6
  Top w0.256: U15.41 37.25,58.72 v1(37.22,58.68) ; U34.B24 v1(76.5,61.2)
  In9.Cu w0.1: v1(37.22,58.68) 38.25,57.65 38.25,57.25 39.38,56.12 44.93,56.12 48.9,60.1 48.9,62.55 51.1,64.75 67.85,64.75 70.9,61.7 76,61.7 v1(76.5,61.2)
  Bottom w0.201: 37.2,58.7 v1(37.22,58.68)
  Bottom w0.256: 35.38,58.82 37.08,58.82 v1(37.22,58.68)
/Ethernet/ETH.RX_CTL: length 59.1
  Top w0.256: U15.33 35.93,54.65 36.59,53.98 39.44,53.98 41.12,52.3 41.12,51.12 41.35,50.9 42.1,50.9 42.72,51.52 v1(42.72,51.52) ; U34.C21 v1(77.5,58.2)
  In9.Cu w0.1: v1(42.72,51.52) 45.32,51.52 51.65,57.85 52.28,57.85 53.4,58.97 53.4,59.6 53.88,60.07 54.22,60.07 arc(54.39,60.14) 54.46,60.31 arc(54.53,60.48) 54.7,60.55 54.79,60.55 arc(54.96,60.48) 55.03,60.31 55.03,59.84 arc(55.09,59.67) 55.26,59.6 55.34,59.6 arc(55.51,59.67) 55.57,59.84 55.57,60.31 arc(55.64,60.48) 55.81,60.55 55.89,60.55 arc(56.06,60.48) 56.12,60.31 56.12,59.84 arc(56.19,59.67) 56.36,59.6 56.44,59.6 arc(56.61,59.67) 56.68,59.84 56.68,60.31 arc(56.74,60.48) 56.91,60.55 56.99,60.55 arc(57.16,60.48) 57.22,60.31 57.22,59.84 arc(57.29,59.67) 57.46,59.6 57.54,59.6 arc(57.71,59.67) 57.78,59.84 57.78,60.31 arc(57.84,60.48) 58.01,60.55 58.09,60.55 arc(58.26,60.48) 58.32,60.31 58.32,59.84 arc(58.39,59.67) 58.56,59.6 58.64,59.6 arc(58.81,59.67) 58.88,59.84 58.88,60.31 arc(58.94,60.48) 59.11,60.55 59.19,60.55 arc(59.36,60.48) 59.43,60.31 arc(59.49,60.14) 59.66,60.07 60.15,60.07 60.62,59.6 68.5,59.6 68.85,59.25 73.45,59.25 75,57.7 77.03,57.7 77.5,58.17 v1(77.5,58.2)